# Altium PCB 2-quilter-output.pcbdoc (part 15 of 17) (continued)
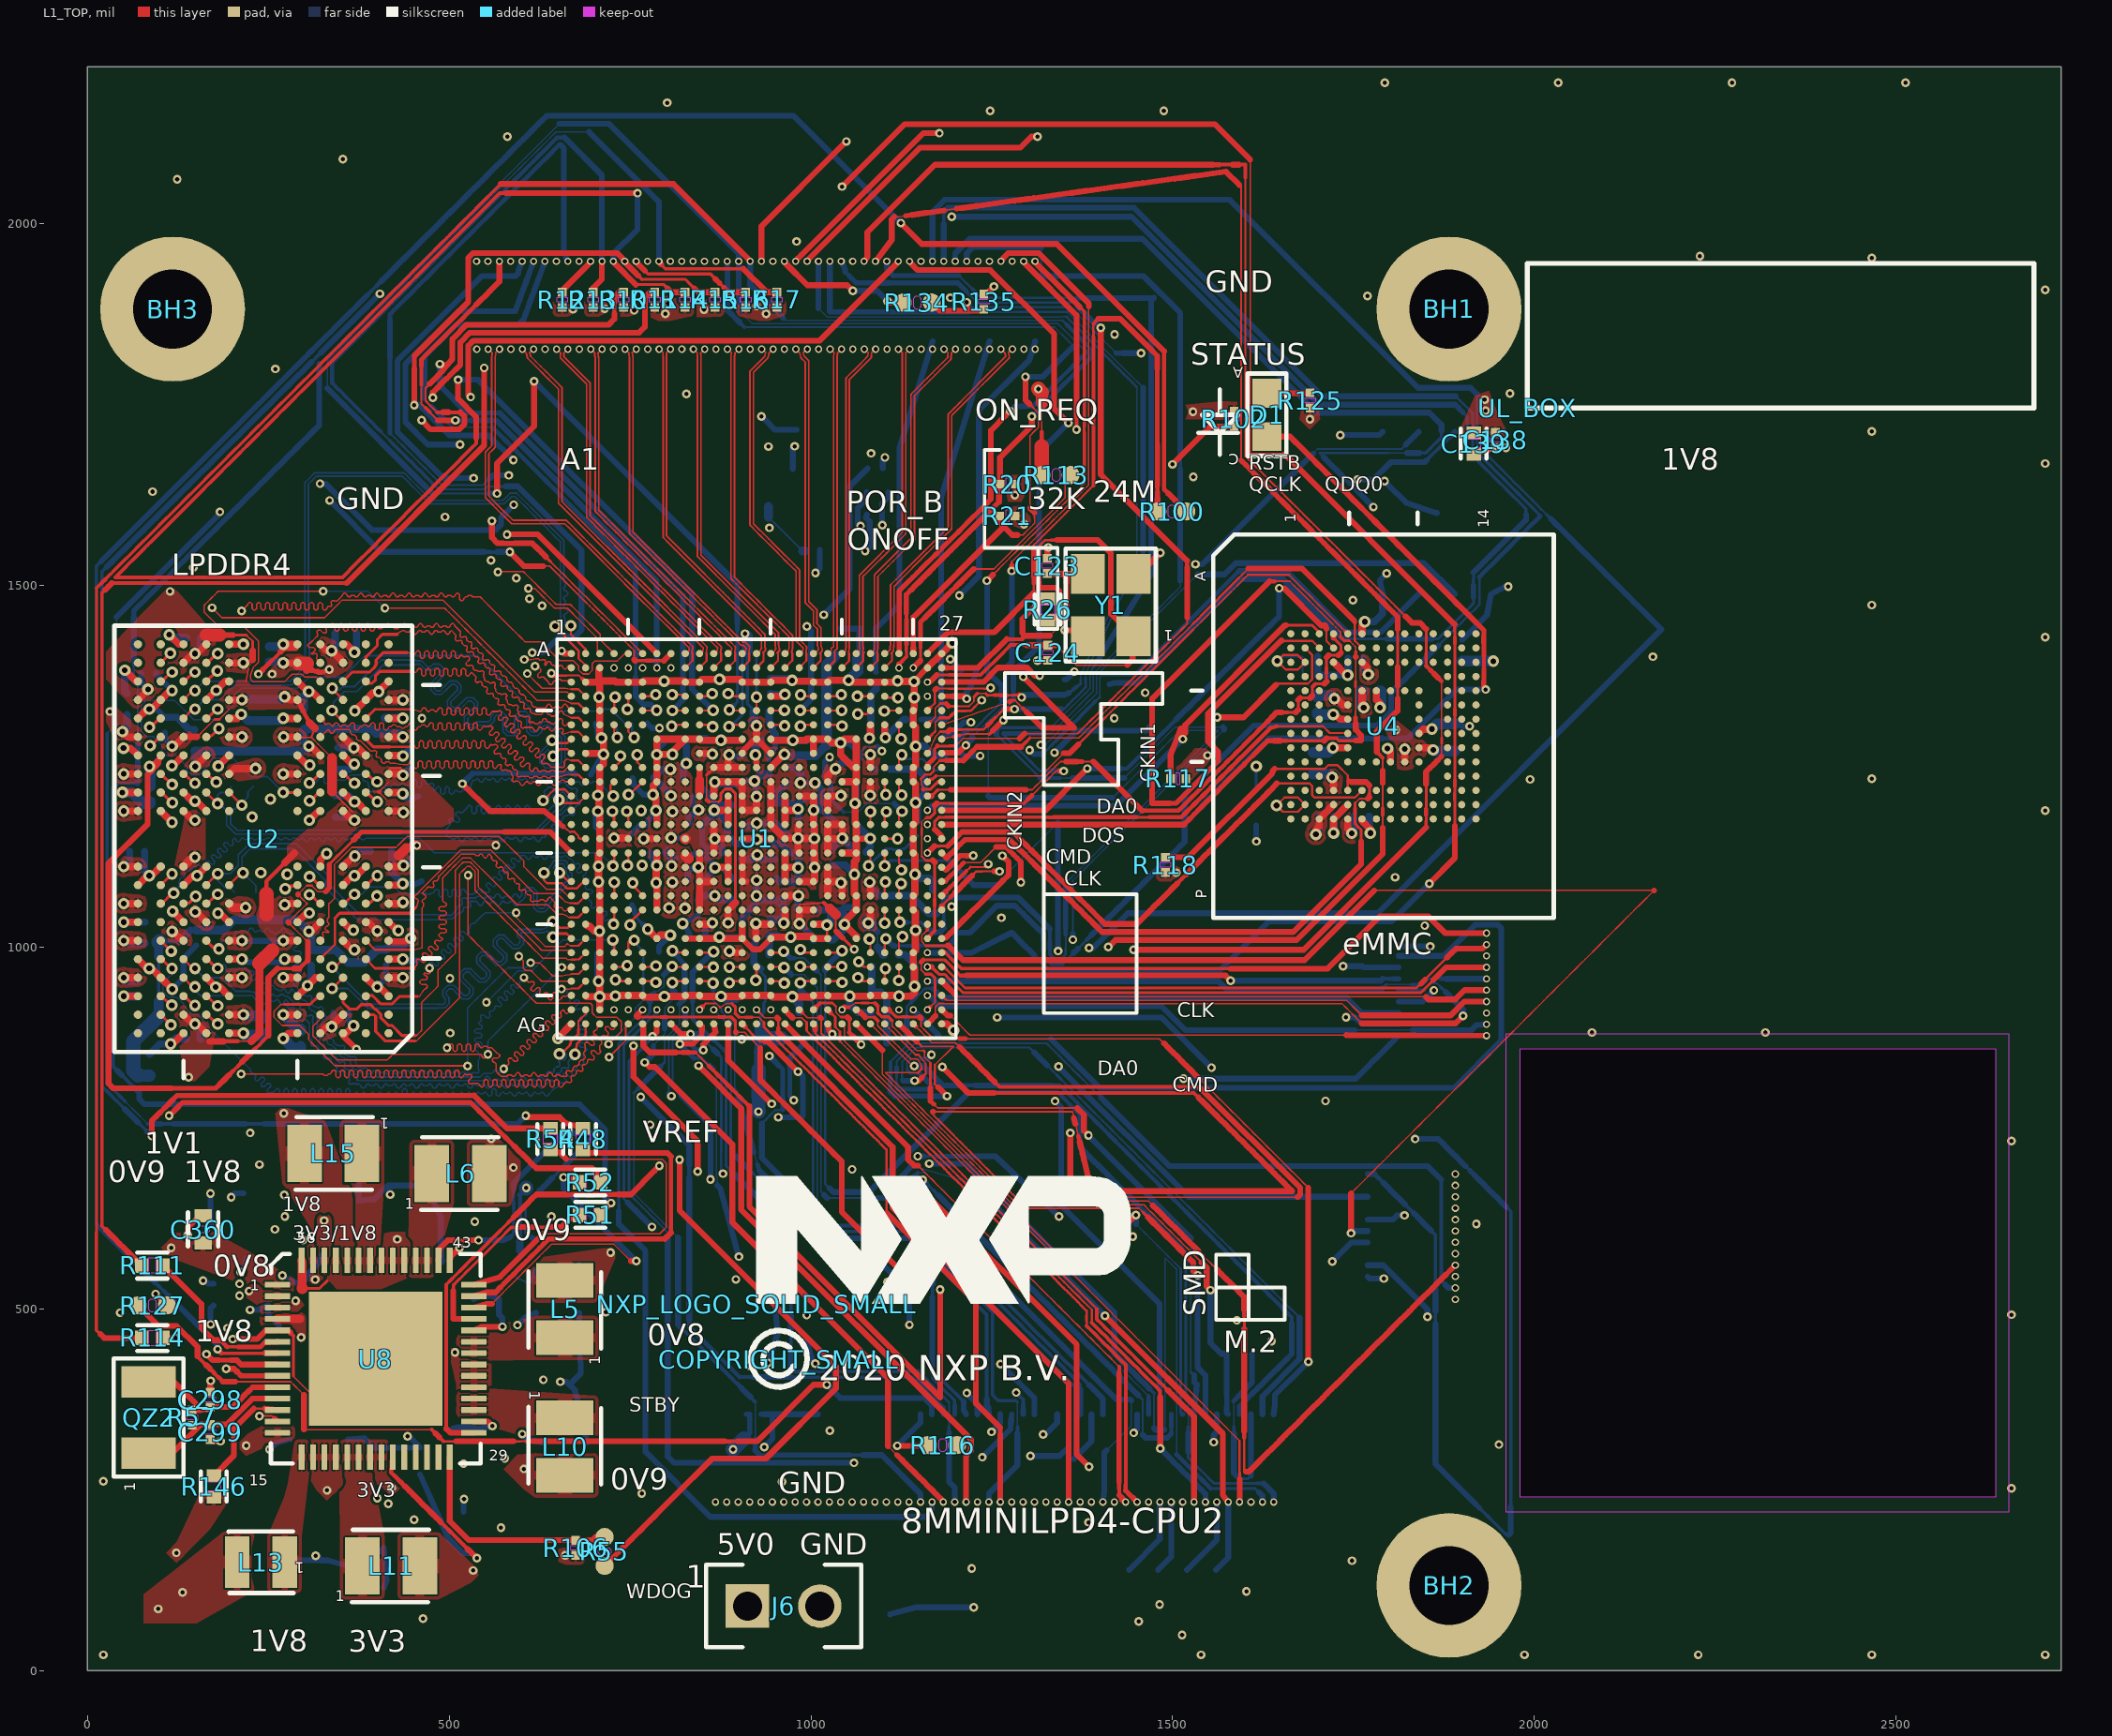
[diagram p0: L1_TOP view]
## Nets (pads, with @x,y where several pads share a name; then routed paths per layer and width w, separated by ;. In a path a pad name is that pad's centre, name@x,y a point inside that pad or via, vN(x,y) a via of type N, cw(c..) or ccw(c..) an arc to the next point about the centre after c; other vN are vias at no path point) (continued)
  L8_BOT w4.21: 98.88,925.38 98.88,945.73 98.88,966.08 98.88,986.42
  L8_BOT w5.79: 100.34,1008.23 113.74,1008.23 127.13,1008.23
  L8_BOT w8: v2(886.89,1265.9) 888.98,1263.81 C5.1@905,1263.81
  L8_BOT w10: v2(48.72,1297.99) 54.89,1304.16 C106.1@54.89,1321.14 ; v2(50.41,1009.15) 54.32,1005.24 C266.1@80,1005.24 ; C108.1@148.58,1271.07 148.58,1250.55 v2(149.33,1249.8) ; v2(1697.8,1156.02) 1702.49,1160.71 C133.1@1702.49,1181 ; v2(1747.46,1157.37) 1750.49,1160.4 C132.1@1750.49,1181 ; C131.1@1763.21,1399.15 1763.21,1384.13 v2(1770.27,1377.07)
  L8_BOT w10.55: 127.13,1008.23 134.78,1015.88 142.43,1023.52
  L8_BOT w12: C108.1@148.58,1271.07 299.54,1271.07 v2(306.32,1277.85) 298.93,1285.24 C109.1@298.93,1300.23 300.53,1301.83 392.82,1301.83 398.93,1295.72 C384.1@411.64,1295.72 431.17,1295.72 v2(436.24,1290.65) ; C372.1@150.6,1023.53 188.64,1023.53 203.01,1037.9 290.37,1037.9 v2(306.32,1021.95) 309.5,1018.77 C371.1@309.5,996.14 343.46,996.14 360.49,979.11 382.82,979.11 400.46,996.75 C370.1@412.78,996.75 417.03,1001 435.45,1001 v2(446.83,1012.38)
  L8_BOT w12.13: 98.88,986.42 98.88,1006.77
  L8_BOT w13.72: 98.88,905.04 98.88,925.38
  L8_BOT w15: C130.1@1694.3,1239.43 1715.81,1239.43 v2(1720.39,1234.85) ; R37.1@1900,1395.24 v2(1943,1395.24)
  L8_BOT w16.89: 70.3,822.85 C105.1@86.18,822.85
  L8_BOT w20.06: 70.3,822.85 63.62,829.54 63.62,869.77 98.88,905.04 ; 98.88,1006.77 100.34,1008.23
  other v1: 97.96,85.63 131.82,108.59 1222.2,141.47 660.47,159.76 219.6,311.35 1504.72,1102.89 1548.33,1265.01 1419.2,1316.29 1461.88,1351.72 1932.21,1741.27 1931.17,1756.61 798.98,1875.39 938.01,1875.49 755.8,1880.09 852.29,1881.17 671.16,1881.64 715.11,1882.29 924.99,1885.99 801.96,1889.73
  other v3: 1025.54,233.27 1041.29,233.27 1057.04,233.27 1072.79,233.27 1088.54,233.27 1104.28,233.27 1120.03,233.27 1135.78,233.27
VDD_3V3: C6.1 C8.1 C30.1 C127.1 C128.1 C129.1 C260.1 C264.1 C311.1 C312.1 C323.2 C403.1 C407.2 J5.21 J5.23 J5.25 J5.27 J5.29 J5.31 J5.33 J5.35 L11.2 R71.2 R72.2 R75.2 R76.2 R95.2 R97.2 R125.1 R146.1 U1.H10 U1.K19 U1.W17 U1.W18 U1.Y10 U4.E6 U4.F5 U4.J10 U4.K9 U8.21 U8.22 U10.1 U10.3 | length 6283.2
  L1_TOP w2.62: 983.84,1057.1 984.84,1058.97 1001.36,1060.27 1017.87,1061.56 ; 1034.54,1022.41 1034.54,1033.66 1034.54,1044.92
  L1_TOP w4.21: 1044.2,1012.75 1053.85,1003.09 v1(1060.01,996.94)
  L1_TOP w5.79: 1017.89,1061.57 1026.21,1053.25
  L1_TOP w7.38: 1034.54,1022.41 1044.2,1012.75
  L1_TOP w10: U1.Y10@846.15,1031.79 861.97,1031.79 v2(863.9,1033.72) ; U1.H10@846.15,1268.01 862.78,1268.01 v2(863.89,1266.9) ; v2(984.23,1032.76) 983.95,1033.04 U1.W17@983.95,1051.48 U1.W18@1003.63,1051.48 ; U1.K19@1023.31,1228.64 1023.31,1236.67 1033.31,1246.67 v2(1033.99,1246.67) ; v2(1723.44,1343.44) 1726.61,1343.44 1735.26,1334.79 U4.F5@1741.97,1334.79 ; U4.E6@1761.65,1354.47 1761.65,1337.53 1763.97,1335.21 v2(1763.97,1331.16) ; U4.K9@1820.71,1256.05 v2(1820.71,1273.9) ; U4.J10@1840.39,1275.73 1856.91,1275.73 v2(1859.98,1272.66)
  L1_TOP w13.72: 1026.21,1053.25 1034.54,1044.92
  L5_PWR w2: 849.86,227.06 861.77,238.97 874.26,251.46 ; v2@869.66,1033.72 879.08,1024.3 888.24,1015.13 ; 1071.55,1022.31 1089.95,1022.31 ; 1090.96,1023.31 1090.96,1036.78 1090.96,1051.24
  L5_PWR w2.62: 915.99,614.17 915.99,634.42 915.99,654.67 915.99,674.92 915.99,695.18 915.99,715.43 915.99,735.68 915.99,755.93 915.99,776.19 915.99,796.44 915.99,816.69 915.99,836.95 915.99,857.2 915.99,877.45 915.99,897.7 915.99,917.96 915.99,938.21
  L5_PWR w4.21: 943.6,1032.37 958.08,1046.85
  L5_PWR w5.79: 526.27,151.6 540.83,137.04 ; 906.25,1243.31 924.95,1243.31 943.64,1243.31 ; 910.51,943.69 910.51,960.97 ; 929.13,1017.9 943.6,1032.37 ; 958.08,1046.85 968.19,1046.85 977.56,1037.48 ; 1060.01,1010.76 1071.55,1022.31
  L5_PWR w7.38: 517.32,142.66 526.26,151.6 ; 767.7,261.57 782.29,246.99 ; v2(863.9,1033.72) v2@869.66,1033.72 ; 888.24,1015.13 903.59,1015.13 ; 910.51,943.69 915.99,938.21 ; 910.51,960.97 919.82,970.28 ; 977.56,1037.48 v2(984.23,1032.76) ; 1089.95,1022.31 1090.96,1023.31
  L5_PWR w8.96: v2(863.89,1266.9) 875.66,1255.17 887.45,1243.42 ; 929.13,1015.13 929.13,1017.9 ; v1(1060.01,996.94) 1060.01,1010.76 ; 1460.65,1371.38 1475.14,1356.9
  L5_PWR w10.55: v1(571.79,197.89) 585.21,211.32 ; 919.82,970.28 929.13,979.58 ; 981.02,1243.31 999.71,1243.31 1019.02,1243.31 ; v1(1098.26,1271.13) 1098.26,1270.27 1111.17,1257.35 1124.08,1244.44 ; 1162.83,1205.7 1175.74,1192.78 ; 1475.14,1356.9 1488.59,1343.44 ; 1710.51,1708.91 1724.93,1694.49
  L5_PWR w12.13: 962.33,1243.31 981.02,1243.31 ; 1149.91,1218.61 1162.83,1205.7 ; 1724.93,1365.97 1724.93,1386.51 ; 1724.93,1673.95 1724.93,1694.49
  L5_PWR w13.72: 782.29,246.99 796.87,232.4 ; 903.59,1015.13 918.94,1015.13 929.13,1015.13 929.13,997.36 ; 1175.74,1117.99 1175.74,1136.68 1175.74,1155.38 1175.74,1174.08 1175.74,1192.78 ; 1265.04,1086.41 1278.55,1099.91 1292.05,1113.42
  L5_PWR w15.3: 753.12,276.15 767.7,261.57 ; v1@1106.03,537.35 1120.79,552.11 ; 1137,1231.53 1149.91,1218.61 ; 1400.09,1321.97 1413.7,1335.59
  L5_PWR w16.89: 513.38,138.72 v1(533.19,138.72) ; 1019.02,1243.31 v2(1033.99,1246.67) ; v2@1724.93,1345.44 1724.93,1365.97 ; 1724.93,1386.51 1724.93,1407.04
  L5_PWR w18.47: 1244.47,1086.41 1265.04,1086.41 ; 1400.09,1241.56 1400.09,1261.66 ; 1400.09,1301.87 1400.09,1321.97 ; v2(1723.44,1343.44) v2@1724.93,1345.44
  L5_PWR w20.06: 455.48,224.03 508.36,171.15 508.36,133.71 ; 513.38,138.72 508.36,133.71 ; 517.31,142.65 508.36,133.71 ; 585.21,211.32 598.64,224.75 612.07,238.18 625.5,251.61 638.93,265.04 652.36,278.47 665.79,291.89 679.22,305.32 692.65,318.75 692.65,334.49 ; 753.12,276.15 738.54,290.74 723.95,305.32 709.37,319.9 694.79,334.49 692.65,334.49 ; 796.87,232.4 811.46,217.82 826.04,203.23 ; 849.86,227.06 837.95,215.14 826.04,203.23 ; 874.26,251.46 886.76,263.95 899.25,276.44 913.09,290.28 984.58,290.28 v1(1026.37,332.07) ; 887.45,1243.42 887.56,1243.31 906.25,1243.31 ; 915.99,614.17 696.14,394.31 696.14,337.98 692.65,334.49 ; 929.13,979.58 929.13,997.36 ; v1(941.47,1691.83) 1009.06,1624.24 1207.79,1624.24 1454.55,1377.48 ; 943.64,1243.31 962.33,1243.31 ; 1090.96,1051.24 1094.87,1055.15 1131.61,1055.15 1175.74,1099.28 ; 1120.79,552.11 1135.54,566.86 1150.29,581.61 1165.05,596.36 1179.8,611.12 1194.55,625.87 1209.3,640.62 1224.06,655.38 1224.06,1066 1244.47,1086.41 1231.6,1099.28 1175.74,1099.28 ; 1124.08,1244.44 1137,1231.53 ; 1175.74,1117.99 1175.74,1099.29 ; 1292.05,1113.42 1305.55,1126.92 1319.06,1140.43 1332.56,1153.93 1346.07,1167.43 1359.57,1180.94 1373.08,1194.44 1386.58,1207.95 1400.09,1221.45 1400.09,1241.56 ; 1333.18,147.84 1277.79,203.23 826.04,203.23 ; 1400.09,1261.66 1400.09,1281.76 1400.09,1301.87 ; 1413.7,1335.59 1427.32,1349.2 1440.93,1362.82 1454.49,1376.38 1454.49,1377.42 1454.55,1377.48 ; 1460.65,1371.38 1454.55,1377.48 ; 1479.56,35.23 1451.97,35.23 1446.82,30.08 1481.89,65.15 v1(1481.89,91.66) ; 1488.59,1343.44 v2(1723.44,1343.44) ; 1637.81,424.96 1637.81,293.1 1657.33,273.58 1657.33,141.72 1641.57,125.97 ; v1(1689.65,1729.77) 1696.09,1723.33 1710.51,1708.91 ; 1724.93,1407.04 1724.93,1427.57 1724.93,1448.1 1724.93,1468.63 1724.93,1489.17 1724.93,1509.7 1724.93,1530.23 1724.93,1550.76 1724.93,1571.29 1724.93,1591.83 1724.93,1612.36 1724.93,1632.89 1724.93,1653.42 1724.93,1673.95
  L8_BOT w2: 1075.63,1277.54 1089.12,1277.54
  L8_BOT w2.62: 941.6,1594.45 954.01,1582.05 966.42,1569.64 978.83,1557.23 988.28,1547.78 ; 1070.28,1259 1070.28,1272.19 1075.63,1277.54
  L8_BOT w4.21: 1089.12,1277.54 1091.88,1277.51
  L8_BOT w7.38: 1091.88,1277.51 v1(1098.26,1271.13)
  L8_BOT w10: C8.1@845.89,1267.39 863.4,1267.39 v2(863.89,1266.9) ; C264.1@853.93,1015.27 853.93,1023.75 v2(863.9,1033.72) ; v2(984.23,1032.76) 1003.78,1013.21 C6.1@1003.78,1010.06 ; v2(1033.99,1246.67) 1034.43,1246.67 1042.76,1255 C30.1@1060.23,1255
  L8_BOT w12.13: 941.6,1594.45 941.6,1609.33 ; 988.28,1547.78 991.79,1547.78
  L8_BOT w15: C128.1@1699.59,1345.4 1699.59,1348.39 1718.49,1348.39 v2(1723.44,1343.44) ; C129.1@1763.65,1354.01 1760.66,1354.01 1760.66,1334.47 v2(1763.97,1331.16) ; v2(1859.98,1272.66) 1861.34,1271.3 C127.1@1890,1271.3
  other v1: 1512.93,49.69 1453,68.44 1601.74,109.78 123.07,163.15 451.9,208.74 416.01,230.83 420.52,252.51 1636.55,455.68 1588.61,484.38 1106.03,537.35 1808.22,1300.06
VDD_ARM_0V9: C33.1 C35.1 C36.1 C248.1 C251.1 C253.1 C283.1 C287.1 L6.2 R140.1 R141.2 U1.R13 U1.R15 U1.T13 U1.T14 U1.T15 U1.U13 U1.U15 U1.V13 U1.V15 U1.V16 U1.W13 U1.W14 U1.W15 U1.W16 | length 847.6
  L1_TOP w8.96: U1.R13@905.21,1130.22 905.2,1125.2 905.2,1115.55 U1.T13@905.21,1110.53 905.2,1105.51 905.2,1095.87 U1.U13@905.21,1090.84 910.71,1090.82
  L1_TOP w10: v2(962.53,1033.35) 964.26,1035.08 U1.W16@964.26,1051.48 ; U1.V16@964.26,1071.16 v2(982.84,1071.16)
  L6_PWR w2.62: 916,849.35 916,867.47 916,885.59 916,903.71 916,921.83
  L6_PWR w8.96: 916,921.83 929.73,935.57
  L6_PWR w12.13: 929.73,935.57 943.47,949.3
  L6_PWR w16.89: 943.47,949.3 943.47,965.41 943.47,981.51 943.47,997.62 943.47,1013.72
  L6_PWR w18.47: 953,1023.26 v2@962.54,1032.8
  L6_PWR w20.06: 684.91,670.84 702.44,670.84 719.96,670.84 737.49,670.84 826.75,760.1 916,849.35 ; 943.47,1013.72 953,1023.26 ; v2@962.54,1032.8 v2(962.53,1033.35)
  L8_BOT w10: C35.1@903.85,1121.91 920.29,1121.91 v2(925.89,1127.51) 931.77,1121.63 C253.1@950.36,1121.63 ; C251.1@905.13,1034.88 905.13,1041.32 924.89,1061.08 v2(924.89,1070.98) ; v2(924.98,1092.68) 924.89,1092.59 v2(924.89,1070.98) ; C36.1@943.44,1038.17 957.71,1038.17 v2(962.53,1033.35) 962.53,1055.75 C33.1@953.1,1065.18 ; C248.1@981.72,1051.61 981.72,1070.04 v2(982.84,1071.16) 968.97,1071.16 962.99,1065.18 C33.1@953.1,1065.18 ; v2(924.89,1070.98) 930.69,1065.18 C33.1@953.1,1065.18
  other v1: 535.57,620.72 641.39,627.88 588.75,695.47 558.26,735.18
VDD_DRAM&PU_0V9: C20.1 C48.1 C54.1 C55.1 C61.1 C65.1 C74.1 C78.1 C303.1 C304.1 L10.2 R144.1 R145.2 U1.J10 U1.K12 U1.K13 U1.L10 U1.L11 U1.L13 U1.M13 U1.M14 U1.N10 U1.N11 U1.P9 U1.P12 U1.R10 U1.R11 U1.U10 U1.U11 U1.V12 U1.W10 U1.W11 | length 1961.1
  L1_TOP w8.96: 846.14,1231.3 U1.J10@846.14,1248.33
  L1_TOP w10: U1.W10@846.15,1051.48 U1.U10@846.15,1090.84 ; U1.R10@846.15,1130.22 846.15,1112.36 v2(844.4,1110.61) 846.15,1108.86 U1.U10@846.15,1090.84 ; U1.U11@865.83,1090.84 U1.U10@846.15,1090.84 ; U1.R11@865.83,1130.22 865.83,1148.45 v2(867.14,1149.76) ; U1.N11@865.83,1169.58 865.83,1151.07 v2(867.14,1149.76) ; U1.L11@865.83,1208.96 865.83,1227.08 v2(867.15,1228.4) 867.39,1228.64 U1.K12@885.52,1228.64 U1.K13@905.21,1228.64 U1.L13@905.21,1208.96 U1.M13@905.21,1189.27 U1.M14@924.89,1189.27 v2(924.89,1208.1) ; U1.P12@885.52,1149.9 867.28,1149.9 v2(867.14,1149.76) ; v2(922.17,1229.81) v2@924.89,1232.53
  L1_TOP w12.13: 846.14,1214.28 846.14,1231.3
  L6_PWR w2: 856.72,1177.9 872.71,1177.9
  L6_PWR w2.62: 872.71,1177.9 882.24,1177.9 ; 998.25,864.96 998.25,884.04 998.25,903.12 998.25,922.2 998.25,941.29 998.25,960.37 998.25,979.45 998.25,998.53 998.25,1017.61 998.25,1036.7
  L6_PWR w4.21: 900.76,767.47 914.69,781.4 928.61,795.32 ; 979.62,1055.32 988.94,1046.01 998.25,1036.7 ; 984.32,851.03 998.25,864.96
  L6_PWR w7.38: 831.13,676.9 831.13,697.84 ; 850.41,1184.21 856.72,1177.9
  L6_PWR w8.96: 882.24,1177.9 882.24,1186.5 882.24,1199.41 ; 906.67,1067.19 918.54,1055.32 938.9,1055.32 ; 959.26,1055.32 979.62,1055.32
  L6_PWR w10.55: 831.13,697.84 845.05,711.76 ; v2(844.72,1189.89) 850.41,1184.21
  L6_PWR w12.13: 956.47,823.18 970.39,837.1 984.32,851.03
  L6_PWR w15.3: 862.44,1077.68 v2(867.31,1071.16) 871.28,1067.19 888.98,1067.19 906.67,1067.19 ; 882.24,1199.41 882.24,1212.31
  L6_PWR w16.89: 831.13,404.74 831.13,425.67 831.13,446.61 831.13,467.54 831.13,488.48 831.13,509.42 ; 874.62,1170.28 882.24,1177.9 ; 938.9,1055.32 959.26,1055.32
  L6_PWR w18.47: 816.43,289.73 831.13,300.05 831.13,320.99 831.13,341.93 831.13,362.86 831.13,383.8 831.13,404.74 ; 831.13,655.97 831.13,676.9 ; 867,1162.66 874.62,1170.28 ; 928.61,795.32 942.54,809.25
  L6_PWR w20.06: 585.8,298.81 707.26,298.81 757.62,248.45 760.91,245.16 v1(766.25,245.16) ; 757.64,248.45 772.34,258.77 787.04,269.09 801.74,279.41 816.43,289.73 ; 831.13,509.42 831.13,530.35 831.13,551.29 831.13,572.22 831.13,593.16 831.13,614.09 831.13,635.03 831.13,655.97 ; 845.05,711.76 858.98,725.69 872.91,739.62 886.83,753.54 900.76,767.47 ; v2@867.15,1228.41 872.34,1222.2 882.24,1212.31 ; 942.54,809.25 956.47,823.18
  L8_BOT w8: C61.1@829.94,1091.56 829.94,1103.11 837.44,1110.61 v2(844.4,1110.61) ; C78.1@836.76,1208.61 836.76,1197.85 v2(844.72,1189.89)
  L8_BOT w10: C74.1@831.9,1171.19 831.9,1178.27 843.52,1189.89 v2(844.72,1189.89) ; C48.1@844.62,1065.03 850.75,1071.16 v2(867.31,1071.16) 873.3,1065.17 C55.1@892.54,1065.17 ; v2(867.14,1149.76) 877.33,1139.57 C54.1@877.33,1130.41 ; v2(867.15,1228.4) 869.77,1225.78 C20.1@890.07,1225.78 901.67,1225.78 905.69,1229.8 v2(922.17,1229.81) 924.29,1227.69 924.29,1208.7 v2(924.89,1208.1)
  L8_BOT w12: v2(922.17,1229.81) 930.96,1238.6 C65.1@941.7,1238.6
  other v1: 603.49,279.07 519.94,286.35 576.95,293.74
VDD_PHY_0V9: C1.1 C360.1 U1.J14 U8.1 | length 1770.8
  L1_TOP w8: v2(923.47,1265.85) 924.89,1264.43 U1.J14@924.89,1248.32
  L3_INNER1 w2: 876.63,917.25 878.77,919.4 882.71,922.19 892.29,931.76
  L3_INNER1 w2.62: 876.63,833.67 876.63,854.57 876.63,875.46 876.63,896.36 876.63,917.25 ; 929.08,1256.81 937.8,1248.09 937.8,1227.71 937.8,1207.33 937.8,1186.94 937.8,1166.56 937.8,1146.17 937.8,1125.79 937.8,1105.41 937.8,1085.02 937.8,1064.64
  L3_INNER1 w4.21: 901.87,1028.71 913.84,1040.69 925.82,1052.66
  L3_INNER1 w5.79: 925.82,1052.66 937.8,1064.64
  L3_INNER1 w7.38: 892.29,931.76 901.87,941.34 901.87,958.81 901.87,976.29 901.87,993.76 901.87,1011.24
  L3_INNER1 w8.96: 318.81,555.32 333.49,540.64
  L3_INNER1 w10.55: 269.79,584.68 289.45,584.68 304.13,570 ; 494.95,379.18 509.63,364.5 529.24,364.5 548.86,364.5 568.47,364.5 588.09,364.5 607.71,364.5 627.32,364.5 646.94,364.5 666.55,364.5 686.17,364.5 705.78,364.5 725.4,364.5 732.84,364.5 745.02,376.68 745.02,384.93 ; 745.02,548.29 745.02,568.71 745.02,589.13 ; 901.87,1011.24 901.87,1028.71
  L3_INNER1 w12.13: 304.13,570 318.81,555.32 ; 745.02,384.93 745.02,405.35 745.02,425.77 745.02,446.19 745.02,466.61 745.02,487.03 745.02,507.45 745.02,527.87 745.02,548.29 ; 745.02,589.13 745.02,609.55 745.02,629.98 745.02,650.4 745.02,670.82 745.02,691.24 745.02,711.66 745.02,732.08 745.02,752.5 757.08,764.55 ; 769.13,776.61 781.18,788.66 ; 793.24,800.72 805.29,812.77
  L3_INNER1 w13.72: 781.18,788.66 793.24,800.72
  L3_INNER1 w15.3: 757.08,764.55 769.13,776.61
  L3_INNER1 w16.89: 132.2,584.68 151.85,584.68
  L3_INNER1 w18.47: 333.49,540.64 348.16,525.96
  L3_INNER1 w20.06: v1(115.97,584.67) 124.29,584.67 132.19,584.67 ; 151.85,584.68 171.51,584.68 191.17,584.68 210.82,584.68 230.48,584.68 250.14,584.68 269.79,584.68 ; 348.16,525.96 362.84,511.28 377.52,496.61 392.2,481.93 406.88,467.25 421.56,452.57 436.24,437.89 450.91,423.21 465.59,408.54 480.27,393.86 494.95,379.18 ; 805.29,812.77 855.73,812.77 876.63,833.67 ; v2(923.47,1265.85) 929.08,1256.81
  L8_BOT w12: v2(923.47,1265.85) 923.47,1280.14 C1.1@929.78,1286.45
VDD_PHY_1V2: C244.1 C405.1 C408.1 U1.J15 U10.5 | length 219.1
  L1_TOP w10: U1.J15@944.57,1248.32 962.86,1266.61 v2(963.4,1266.61)
  L8_BOT w12: v2(963.4,1266.61) 965.29,1264.72 C244.1@993.88,1264.72 1006.62,1264.72 1021.62,1279.72
  L8_BOT w15: 1021.62,1279.72 1021.62,1390.38 C405.1@1033.54,1402.3
  other v1: 942.52,1579.59
VDD_SNVS_0V8: C9.1 C337.1 R113.1 U1.K22 U8.2 | length 3649.5
  L1_TOP w2: 1319.09,1712.1 1319.12,1731.94 1319.15,1751.79
  L1_TOP w5.79: 1319.06,1692.26 1319.09,1712.1
  L1_TOP w10: v2(1081.98,1209.79) 1082.37,1210.18 U1.K22@1082.37,1228.64
  L1_TOP w16.89: 1319.15,1751.79 1319.15,1766.48
  L1_TOP w20.06: v1(1314.19,1771.44) 1319.15,1766.48 ; R113.1@1319.01,1652.57 1319.03,1672.42 1319.06,1692.26
  L6_PWR w2: 1060.97,1182.3 1071.48,1192.81 v2@1081.98,1203.32
  L6_PWR w2.62: 1010.33,653.5 1010.33,670.04 1010.33,686.58 1010.33,703.12 1010.33,723.76 1010.33,744.4 1010.33,765.03 1010.33,785.67 1010.33,806.31 1010.33,826.95 1010.33,847.59 1010.33,868.23 1010.33,888.87 1010.33,909.51 1010.33,930.15 1010.33,950.79 1010.33,971.43 1010.33,992.07 1010.33,1012.71 1010.33,1033.35 1010.33,1053.99 1010.33,1074.63 1022.99,1087.29 1035.65,1099.95 1048.31,1112.61 1060.97,1125.27
  L6_PWR w7.38: v2@1082.98,1210.37 1091.55,1218.94 1100.11,1227.5
  L6_PWR w10.55: v2@1081.98,1203.32 v2(1081.98,1209.79)
  L6_PWR w12.13: 1060.97,1144.28 1060.97,1163.29 1060.97,1182.3 ; 1100.11,1227.5 1120.57,1227.5 1141.02,1227.5 ; 1314.19,1762.37 1314.19,1745.51 1327.53,1732.18 ; 1340.86,1718.85 1354.19,1705.52
  L6_PWR w13.72: 313.28,240.95 313.28,261.82 ; 313.28,449.64 313.28,470.51 ; 1060.97,1125.27 1060.97,1144.28 ; 1327.53,1732.18 1340.86,1718.85 ; 1345.55,1227.5 1366,1227.5 ; 1354.19,1705.52 1367.53,1692.18
  L6_PWR w15.3: 1325.1,1227.5 1345.55,1227.5
  L6_PWR w16.89: 256.19,528.18 276.77,528.18 297.35,528.18
  L6_PWR w18.47: 313.28,220.08 313.28,240.95 ; 313.28,470.51 313.28,491.38 ; 874.12,271.96 874.12,292.11 874.12,312.25 874.12,332.4 874.12,352.55 874.12,372.69 874.12,392.84 874.12,412.98 888.61,427.47 903.1,441.96
  L6_PWR w20.06: 232.77,531.02 234.63,529.15 255.21,529.15 256.19,528.18 ; 297.35,528.18 313.28,512.25 313.28,491.38 ; 313.28,220.08 313.28,199.21 334.15,178.33 780.49,178.33 874.12,271.95 ; 313.28,261.82 313.28,282.69 313.28,303.56 313.28,324.43 313.28,345.29 313.28,366.16 313.28,387.03 313.28,407.9 313.28,428.77 313.28,449.64 ; 903.1,441.96 917.59,456.45 932.08,470.94 946.57,485.43 961.06,499.92 975.54,514.41 990.03,528.89 1004.52,543.38 1019.01,557.87 1033.5,572.36 1047.99,586.85 1062.48,601.34 1010.33,653.5 ; v2(1081.98,1209.79) v2@1082.98,1210.37 ; 1141.02,1227.5 1161.47,1227.5 1181.93,1227.5 1202.38,1227.5 1222.83,1227.5 1243.28,1227.5 1263.74,1227.5 1284.19,1227.5 1304.64,1227.5 1325.1,1227.5 ; 1314.19,1762.37 v1(1314.19,1771.44) ; 1366,1227.5 1386.45,1227.5 1406.91,1227.5 1427.36,1227.5 1750.21,1550.35 1537.53,1763.05 1518.4,1763.05 1420.87,1665.51 1394.19,1665.51 1380.86,1678.85 1367.53,1692.18
  other v1: 223.46,524.72 210.49,534.87
VDD_SOC_0V8: C15.1 C16.1 C234.2 C235.1 C247.1 C254.1 C255.1 C256.1 C275.1 C285.1 L5.2 R142.1 R143.2 U1.J16 U1.J17 U1.K15 U1.K16 U1.L15 U1.L17 U1.L18 U1.M15 U1.N13 U1.N15 U1.N17 U1.N18 U1.P16 U1.R17 U1.R18 U1.U17 U1.U18 | length 1511.6
  L1_TOP w10: U1.K15@944.57,1228.64 U1.L15@944.57,1208.96 U1.M15@944.57,1189.27 U1.N15@944.57,1169.58 U1.P16@964.26,1149.9 965.05,1150.69 v2(982.31,1150.69) ; U1.U17@983.95,1090.84 U1.U18@1003.63,1090.84 1005.14,1092.35 v2(1005.14,1110.33) 1005.14,1128.71 U1.R18@1003.63,1130.22 1004.84,1131.43 v2(1004.84,1150.24) ; U1.R17@983.95,1130.22 982.31,1131.86 v2(982.31,1150.69) ; U1.N17@983.95,1169.58 982.31,1167.94 v2(982.31,1150.69) ; U1.L17@983.95,1208.96 U1.L18@1003.63,1208.96 1003.82,1208.77 v2(1003.82,1189.45) 1003.63,1189.26 U1.N18@1003.63,1169.58 1004.84,1168.37 v2(1004.84,1150.24) ; v2(982.31,1150.69) 982.76,1150.24 v2(1004.84,1150.24)
  L3_INNER1 w2.62: 835.78,902.87 835.78,922.8 835.78,942.72 835.78,962.65 835.78,982.58 835.78,1002.51 835.78,1022.44 848.55,1035.21 861.31,1047.97 874.07,1060.73 886.84,1073.5 899.6,1086.26 912.37,1099.03
  L3_INNER1 w4.21: 912.37,1117.91 912.37,1136.79 912.37,1155.68 v2@924,1167.31
  L3_INNER1 w5.79: 912.37,1099.03 912.37,1117.91
  L3_INNER1 w8.96: 754.21,842.92 762.37,851.08 770.52,859.23
  L3_INNER1 w10.55: 792.16,859.23 806.7,873.77 821.24,888.31
  L3_INNER1 w12.13: 821.24,888.31 835.79,902.85
  L3_INNER1 w15.3: 754.2,814.89 754.2,828.91 754.2,842.92 ; 770.52,859.23 781.34,859.23 ; v2@924,1167.31 v2(925.1,1171.42)
  L3_INNER1 w16.89: 781.34,859.23 792.16,859.23
  L3_INNER1 w20.06: 619.5,680.19 627.33,688.02 754.2,814.89
  L8_BOT w2: 606.76,537.15 610.62,536.1 618.05,536.31 620.46,536.21 622.76,536.2 637.29,536.75 651.26,537.28 ; 610.63,536.1 C275.1@613.63,539.11
  L8_BOT w2.62: 593.38,543.18 606.76,537.15
  L8_BOT w5.79: 597.88,597.24 597.88,617.37 597.88,637.49 597.88,657.61 ; C275.1@613.63,539.11 C275.1@620,555
  L8_BOT w7.38: 597.88,657.61 v1@606.8,666.53
  L8_BOT w10: C16.1@905.26,1168.18 921.86,1168.18 v2(925.1,1171.42) 950.83,1171.42 C247.1@952.67,1169.58 971.56,1150.69 v2(982.31,1150.69) 982.76,1150.24 v2(1004.84,1150.24) ; C256.1@967.36,1248.35 977.44,1248.35 985.62,1240.17 v2(985.62,1227.04) 1005.51,1227.04 v2(1005.62,1226.93) 1014.65,1217.9 C235.1@1014.65,1209.18 1014.65,1200.28 v2(1003.82,1189.45) ; C15.1@1002.87,1090.78 1005.14,1093.05 v2(1005.14,1110.33) 1003.71,1111.76 C255.1@1003.71,1130.38 1003.71,1149.11 v2(1004.84,1150.24) ; C234.2@1032.67,1173.08 1016.3,1189.45 v2(1003.82,1189.45) ; v2(1003.82,1189.45) 1003.82,1170.18 C254.1@1003.69,1170.05 1003.69,1151.39 v2(1004.84,1150.24)
  L8_BOT w10.55: 597.88,580.57 597.88,597.24 ; 652.26,537.52 C285.1@667.17,545.52
  L8_BOT w15.3: 651.26,537.28 652.26,537.52
  L8_BOT w20.06: v1@606.8,666.53 v1(606.8,667.57) ; C285.1@667.19,545.52 675.44,553.77 C285.1@680,555
  other v1: 723.37,577.94
VDDA_1V8: C99.1 C100.1 C101.1 C104.1 C265.1 C267.1 C363.1 C400.1 U1.AA14 U1.G14 U1.H13 U1.H15 U1.N19 U1.N20 U1.P5 U1.P19 U1.R19 U1.Y15 U8.54 | length 1938.6
  L1_TOP w8: U1.H13@905.21,1268.01 905.21,1270.22 922.69,1287.7 U1.G14@924.89,1287.7 U1.H15@944.57,1268.01
  L1_TOP w10: v2(727.89,1150.9) 746.73,1150.9 U1.P5@747.73,1149.9 ; U1.AA14@924.89,1012.1 924.02,1012.97 v2(924.02,1032.9) 925.13,1031.79 U1.Y15@944.57,1031.79 ; U1.G14@924.89,1287.7 v2(924.89,1305.9) ; U1.R19@1023.31,1130.22 U1.P19@1023.31,1149.9 ; U1.P19@1023.31,1149.9 U1.N19@1023.31,1169.58 U1.N20@1043,1169.58 1043.56,1169.02 v2(1043.56,1150.65) 1042.81,1149.9 U1.P19@1023.31,1149.9
  L6_PWR w2: 681.13,1102.55 695.09,1116.5 709.04,1130.46
  L6_PWR w2.62: 933.84,766.52 948,752.36 962.17,738.19 976.33,724.02 990.5,709.86 998.37,709.86 1004.68,716.17 ; 1004.68,716.18 1004.68,736.66 1004.68,757.14 1004.68,777.62 1004.68,798.1 1004.68,818.58 1004.68,839.06 1004.68,859.54 1004.68,880.02 1004.68,900.49 1004.68,920.97 1004.68,941.45 1004.68,961.93 1004.68,982.41 1004.68,1002.89 1004.68,1023.37 1004.68,1043.85 1004.68,1064.33 1004.68,1084.81
  L6_PWR w5.79: 583.46,1004.88 597.41,1018.83
  L6_PWR w8.96: 583.46,970.53 583.46,987.7 583.46,1004.88
  L6_PWR w13.72: 1004.68,1084.81 1017.64,1097.77 1030.59,1110.72 1043.55,1123.68 1043.55,1137.15 v2@1043.55,1150.63
  L6_PWR w15.3: 709.04,1130.46 722.99,1144.41
  L6_PWR w16.89: 597.41,1018.83 611.37,1032.78
  L6_PWR w18.47: 509.23,844.76 524.08,859.6 ; 611.37,1032.78 625.32,1046.74 639.27,1060.69 ; 653.23,1074.64 667.18,1088.6 681.13,1102.55
  L6_PWR w20.06: 308.07,643.6 316.26,651.78 331.1,666.63 345.94,681.47 360.79,696.32 375.63,711.16 390.48,726.01 405.32,740.85 420.17,755.69 435.01,770.54 449.85,785.38 464.7,800.23 479.54,815.07 494.39,829.91 509.23,844.76 ; 524.08,859.6 538.92,874.45 553.76,889.29 568.61,904.14 583.45,918.98 583.46,936.17 ; 583.46,936.17 583.46,953.35 583.46,970.53 ; 639.27,1060.69 653.23,1074.64 ; v1(927.54,772.82) 933.84,766.52
  L8_BOT w4: 930.63,892.63 930.63,905.28 934.89,909.54 934.89,922.89 937,925 937,959.64 930.63,966.02 930.63,966.72
  L8_BOT w4.21: 912.21,1411.13 912.21,1392.11 912.21,1373.09 912.21,1354.08 912.21,1336.47 C100.1@920.45,1328.23
  L8_BOT w5: 930.63,966.72 930.63,970.26
  L8_BOT w10: v2(924.02,1032.9) 924.02,1006.99 921.28,1004.25 921.28,988.54 921.15,988.41 921.15,978.23 929.12,970.26 930.63,970.26 ; 927,861.24 927,889 930.63,892.63 ; C101.1@1028.89,1134.41 1028.89,1135.98 v2(1043.56,1150.65) 1055.03,1139.18 C104.1@1055.03,1131.45
  L8_BOT w10.55: v1(909.05,1433.31) v1@912.21,1430.15
  L8_BOT w12: C100.1@921.38,1325.9 921.38,1309.41 v2(924.89,1305.9)
  L8_BOT w12.13: 927.01,856.22 927.78,849.34 927.78,830.65
  L8_BOT w15.3: 912.21,1411.13 v1@912.21,1430.15
  L8_BOT w18.47: v1@927.78,774.59 927.78,793.28
  L8_BOT w20.06: v1(927.54,772.82) v1@927.78,774.59 ; 927.78,793.28 927.78,811.97 927.78,830.65 ; 932.01,876.36 934.97,874.19 C265.1@958.97,874.19
  other v1: 327.46,622.28 272.15,657.7
VINT: C406.1 U8.4 | length 138.3
  L1_TOP w12.13: U8.4@262.86,486.35 278.36,486.36 293.87,486.36
  L6_PWR w12.13: v1(193.69,473.51) 211.59,473.51
  L6_PWR w15.3: 283.2,473.51 v1(295.74,460.97)
  L6_PWR w18.47: 211.59,473.51 229.49,473.51
  L6_PWR w20.06: 229.49,473.51 247.4,473.51 265.3,473.51 283.2,473.51
VSYS_5V: C10.1 C11.1 C12.1 C13.1 C279.2 C281.2 C295.2 C301.2 C306.2 C307.2 C316.2 C401.2 C402.2 J5.1 J5.2 J5.3 J5.4 J5.5 J5.6 J5.7 J5.8 J6.1 U8.16 U8.17 U8.18 U8.33 U8.34 U8.35 U8.47 U8.48 U8.49 U8.53 U8.56 | length 1324.4
  L1_TOP w4.21: 297.17,528.48 317.11,528.48 321.03,528.48 331.63,539.09
  L1_TOP w12.13: U8.56@296.33,567.06 297.16,563.23 297.16,545.86 297.16,528.49
  L6_PWR w7.38: 920.64,305.97 931.34,295.28
  L6_PWR w12.13: v1(892.45,305.97) 906.54,305.97 920.64,305.97 ; 931.34,295.28 942.03,284.58
  L6_PWR w15.3: 910.33,233.82 v3(915.31,233.27) ; 915.32,245.57 v3(915.31,233.27) ; 915.86,212.62 915.86,232.55 v3(915.31,233.27)
  L6_PWR w18.47: 498.84,223.68 517.36,219.59 531.48,216.46 ; 839.3,269.77 852.62,283.1 852.62,302.56 852.62,322.02 852.62,341.48 852.62,360.94 852.62,380.4 852.62,399.86 852.62,419.32
  L6_PWR w20.06: 443.29,235.95 461.81,231.86 480.32,227.77 498.84,223.68 ; 531.5,216.46 785.99,216.46 799.32,229.79 812.64,243.12 825.97,256.44 839.3,269.77 ; 852.62,419.32 852.62,438.78 852.62,458.24 852.62,477.7 852.62,497.16 v1(896.36,540.9) ; v3(868.06,233.27) 872.32,230.67 878.84,232.72 v3(883.81,233.27) 888.07,230.67 894.59,232.72 v3(899.56,233.27) 903.82,235.89 910.33,233.82 ; J6.1@912.42,89.57 915.86,93.03 915.86,112.96 915.86,132.89 915.86,152.82 915.86,172.75 915.86,192.68 915.86,212.62 ; v1(914.37,421.71) 914.36,304.27 934.05,284.58 942.03,284.58 935.35,277.9 915.32,257.86 915.32,245.57
  L8_BOT w7.38: 907.68,321.21 915.3,328.82 915.3,341.67 J5.7@915.31,354.53 911.3,354.53
  L8_BOT w20.06: v1(892.45,305.97) 900.06,313.59 907.68,321.21
  other v1: 400.86,238.76 331.48,249.4 630.22,402.23 508.28,439.94 298.29,595.62 428.58,596.38
WDOG_B: R55.1 U1.AG13 | length 1190.6
  L1_TOP w3.37: 908.76,890.43 914.04,885.15 919.33,879.87 924.61,874.58 929.89,869.3 935.47,869.3
  L1_TOP w6.29: 935.47,869.3 941.05,869.3
  L1_TOP w7.46: R55.1@721.24,151.24 727.48,157.48 733.73,163.73
  L1_TOP w8.05: R55.1@715,145 R55.1@721.24,151.24 ; 733.73,163.73 739.97,169.97 746.21,176.21 752.45,182.45 758.69,188.69 764.93,194.93 771.18,201.18 777.42,207.42 783.66,213.66 789.9,219.9 796.14,226.14 802.39,232.39 808.63,238.63 863.41,293.41 937.83,293.41 1034.6,390.18 1034.6,420.42 818.5,636.52 818.5,699.3 v1(818.5,706.47) ; U1.AG13@905.21,893.99 908.76,890.43 ; 941.05,869.3 v1(982.31,828.03)
  L3_INNER1 w8.05: v1(818.5,706.47) 857.12,745.08 934.95,745.08 v1(954.92,765.05)
  L8_BOT w7.46: v1(954.92,765.05) 962.88,765.05 970.84,765.05
  L8_BOT w8.05: 970.84,765.05 978.8,765.05 986.76,765.05 988.97,767.25 988.97,821.38 v1(982.31,828.03)
WL_REG_ON: J8.6 U1.R23 | length 1147.5
  L1_TOP w3: v2(1102.05,1112.36) U1.R23@1102.05,1130.22
  L3_INNER1 w8.05: v1(1341.5,994.77) 1341.5,835.83 v1(1342.15,835.19)
  L8_BOT w2: 1255.1,1085.91 1261.27,1092.09 1267.44,1098.26 1273.61,1104.43 1279.78,1110.6 1285.95,1116.77 1292.13,1122.94 1298.3,1129.11 1304.47,1135.28 1310.64,1141.45 1316.81,1147.62 1322.98,1153.79 1329.15,1159.96 1335.32,1166.13 1341.49,1172.3
  L8_BOT w4.1: v2(1102.05,1112.36) 1102.76,1112.36 1110.4,1120 1188.77,1120
  L8_BOT w8.05: 1190.83,1120 1224.92,1085.91 1255.1,1085.91 ; v1(1341.5,994.77) 1341.5,1172.3 ; v1(1342.15,835.19) 1349.65,827.69 1522.22,655.12 J8.6@1769.37,655.12

## Text inside footprints (layer, text, board x,y; h text height)
U2: Top Assembly "1" at 423.33,844.9 h20 r180; Top Assembly "12" at 72.33,839.9 h20 r180; Top Assembly "A" at 473.33,889.9 h20 r180; Top Assembly "AB" at 493.33,1424.9 h20 r180; Top Pin Number "N2" at 377.06,1188.29 h10 r180; Top Pin Number "P3" at 345.56,1213.88 h10 r180; Top Pin Number "P1" at 408.55,1213.88 h10 r180; Top Pin Number "U12" at 58.1,1290.65 h10 r180; Top Pin Number "G9" at 156.59,1034.74 h10 r180; Top Pin Number "F1" at 408.55,1009.15 h10 r180; Top Pin Number "G4" at 314.07,1034.74 h10 r180; Top Pin Number "U1" at 408.55,1290.65 h10 r180; Top Pin Number "AA8" at 184.08,1393.01 h10 r180; Top Pin Number "W5" at 282.57,1341.83 h10 r180; Top Pin Number "W8" at 188.08,1341.83 h10 r180; Top Pin Number "W12" at 58.1,1341.83 h10 r180; Top Pin Number "AB9" at 152.59,1418.6 h10 r180; Top Pin Number "AA10" at 117.09,1393.01 h10 r180; Top Pin Number "R5" at 282.57,1239.47 h10 r180; Top Pin Number "U5" at 282.57,1290.65 h10 r180; Top Pin Number "U8" at 188.08,1290.65 h10 r180; Top Pin Number "U10" at 121.09,1290.65 h10 r180; Top Pin Number "N10" at 121.09,1188.29 h10 r180; Top Pin Number "R8" at 188.08,1239.47 h10 r180; Top Pin Number "R12" at 58.1,1239.47 h10 r180; Top Pin Number "N12" at 58.1,1188.29 h10 r180; Top Pin Number "H5" at 282.57,1060.34 h10 r180; Top Pin Number "D5" at 282.57,957.97 h10 r180; Top Pin Number "H8" at 188.08,1060.34 h10 r180; Top Pin Number "K10" at 121.09,1111.52 h10 r180; Top Pin Number "D8" at 188.08,957.97 h10 r180; Top Pin Number "F5" at 282.57,1009.15 h10 r180; Top Pin Number "F8" at 188.08,1009.15 h10 r180; Top Pin Number "F10" at 121.09,1009.15 h10 r180; Top Pin Number "H12" at 58.1,1060.34 h10 r180; Top Pin Number "K12" at 58.1,1111.52 h10 r180; Top Pin Number "D12" at 58.1,957.97 h10 r180; Top Pin Number "A4" at 314.07,881.2 h10 r180; Top Pin Number "B3" at 345.56,906.79 h10 r180; Top Pin Number "B5" at 282.57,906.79 h10 r180; Top Pin Number "B8" at 188.08,906.79 h10 r180; Top Pin Number "A9" at 156.59,881.2 h10 r180; Top Pin Number "B10" at 121.09,906.79 h10 r180; Top Pin Number "T2" at 377.06,1265.06 h10 r180; Top Pin Number "W1" at 408.55,1341.83 h10 r180; Top Pin Number "R1" at 408.55,1239.47 h10 r180; Top Pin Number "N1" at 408.55,1188.29 h10 r180; Top Pin Number "K1" at 408.55,1111.52 h10 r180; Top Pin Number "H1" at 408.55,1060.34 h10 r180; Top Pin Number "D1" at 408.55,957.97 h10 r180; Top Pin Number "U3" at 345.56,1290.65 h10 r180; Top Pin Number "N3" at 345.56,1188.29 h10 r180; Top Pin Number "K3" at 345.56,1111.52 h10 r180; Top Pin Number "F3" at 345.56,1009.15 h10 r180; Top Pin Number "G2" at 377.06,1034.74 h10 r180; Top Pin Number "Y4" at 314.07,1367.42 h10 r180; Top Pin Number "R11" at 89.59,1239.47 h10 r180; Top Pin Number "V3" at 345.56,1316.24 h10 r180; Top Pin Number "R10" at 121.09,1239.47 h10 r180; Top Pin Number "H9" at 156.59,1060.34 h10 r180; Top Pin Number "W3" at 345.56,1341.83 h10 r180; Top Pin Number "B4" at 314.07,906.79 h10 r180; Top Pin Number "J5" at 282.57,1085.93 h10 r180; Top Pin Number "Y2" at 377.06,1367.42 h10 r180; Top Pin Number "C10" at 121.09,932.38 h10 r180; Top Pin Number "R4" at 314.07,1239.47 h10 r180; Top Pin Number "E4" at 314.07,983.56 h10 r180; Top Pin Number "J8" at 188.08,1085.93 h10 r180; Top Pin Number "D10" at 121.09,957.97 h10 r180; Top Pin Number "H11" at 89.59,1060.34 h10 r180; Top Pin Number "H10" at 121.09,1060.34 h10 r180; Top Pin Number "P8" at 188.08,1213.88 h10 r180; Top Pin Number "F12" at 58.1,1009.15 h10 r180; Top Pin Number "T4" at 314.07,1265.06 h10 r180; Top Pin Number "T9" at 156.59,1265.06 h10 r180; Top Pin Number "AB11" at 85.59,1418.6 h10 r180; Top Pin Number "AB1" at 404.55,1418.6 h10 r180; Top Pin Number "AA12" at 54.1,1393.01 h10 r180; Top Pin Number "AA1" at 404.55,1393.01 h10 r180; Top Pin Number "A2" at 377.06,881.2 h10 r180; Top Pin Number "A12" at 58.1,881.2 h10 r180; Top Pin Number "A11" at 89.59,881.2 h10 r180; Top Pin Number "A1" at 408.55,881.2 h10 r180; Top Pin Number "P11" at 89.59,1213.88 h10 r180; Top Pin Number "H2" at 377.06,1060.34 h10 r180; Top Pin Number "J9" at 156.59,1085.93 h10 r180; Top Pin Number "H4" at 314.07,1060.34 h10 r180; Top Pin Number "U9" at 156.59,1290.65 h10 r180; Top Pin Number "V2" at 377.06,1316.24 h10 r180; Top Pin Number "V9" at 156.59,1316.24 h10 r180; Top Pin Number "Y10" at 121.09,1367.42 h10 r180; Top Pin Number "J2" at 377.06,1085.93 h10 r180; Top Pin Number "AA11" at 85.59,1393.01 h10 r180; Top Pin Number "T11" at 89.59,1265.06 h10 r180; Top Pin Number "B2" at 377.06,906.79 h10 r180; Top Pin Number "J11" at 89.59,1085.93 h10 r180; Top Pin Number "C11" at 89.59,932.38 h10 r180; Top Pin Number "F2" at 377.06,1009.15 h10 r180; Top Pin Number "C4" at 314.07,932.38 h10 r180; Top Pin Number "W10" at 121.09,1341.83 h10 r180; Top Pin Number "U11" at 89.59,1290.65 h10 r180; Top Pin Number "B11" at 89.59,906.79 h10 r180; Top Pin Number "E2" at 377.06,983.56 h10 r180; Top Pin Number "A5" at 282.57,881.2 h10 r180; Top Pin Number "R2" at 377.06,1239.47 h10 r180; Top Pin Number "C2" at 377.06,932.38 h10 r180; Top Pin Number "U4" at 314.07,1290.65 h10 r180; Top Pin Number "P4" at 314.07,1213.88 h10 r180; Top Pin Number "R9" at 156.59,1239.47 h10 r180; Top Pin Number "V4" at 314.07,1316.24 h10 r180; Top Pin Number "E3" at 345.56,983.56 h10 r180; Top Pin Number "F11" at 89.59,1009.15 h10 r180; Top Pin Number "AA9" at 152.59,1393.01 h10 r180; Top Pin Number "F4" at 314.07,1009.15 h10 r180; Top Pin Number "V10" at 121.09,1316.24 h10 r180; Top Pin Number "E9" at 156.59,983.56 h10 r180; Top Pin Number "P9" at 156.59,1213.88 h10 r180; Top Pin Number "P5" at 282.57,1213.88 h10 r180; Top Pin Number "E11" at 89.59,983.56 h10 r180; Top Pin Number "V11" at 89.59,1316.24 h10 r180; Top Pin Number "Y11" at 89.59,1367.42 h10 r180; Top Pin Number "AA4" at 310.07,1393.01 h10 r180; Top Pin Number "B9" at 156.59,906.79 h10 r180; Top Pin Number "R3" at 345.56,1239.47 h10 r180; Top Pin Number "H3" at 345.56,1060.34 h10 r180; Top Pin Number "C9" at 156.59,932.38 h10 r180; Top Pin Number "F9" at 156.59,1009.15 h10 r180; Top Pin Number "Y9" at 156.59,1367.42 h10 r180; Top Pin Number "E10" at 121.09,983.56 h10 r180; Top Pin Number "P2" at 377.06,1213.88 h10 r180; Top Pin Number "J4" at 314.07,1085.93 h10 r180; Top Pin Number "D3" at 345.56,957.97 h10 r180; Top Pin Number "AA2" at 373.06,1393.01 h10 r180; Top Pin Number "A8" at 188.08,881.2 h10 r180; Top Pin Number "Y3" at 345.56,1367.42 h10 r180; Top Pin Number "C3" at 345.56,932.38 h10 r180; Top Pin Number "AA3" at 341.56,1393.01 h10 r180; Top Pin Number "AB4" at 310.07,1418.6 h10 r180; Top Pin Number "AA5" at 278.57,1393.01 h10 r180; Top Pin Number "J1" at 408.55,1085.93 h10 r180; Top Pin Number "K2" at 377.06,1111.52 h10 r180; Top Pin Number "J3" at 345.56,1085.93 h10 r180; Top Pin Number "W4" at 314.07,1341.83 h10 r180; Top Pin Number "Y5" at 282.57,1367.42 h10 r180; Top Pin Number "D4" at 314.07,957.97 h10 r180; Top Pin Number "C5" at 282.57,932.38 h10 r180; Top Pin Number "Y8" at 188.08,1367.42 h10 r180; Top Pin Number "W9" at 156.59,1341.83 h10 r180; Top Pin Number "K9" at 156.59,1111.52 h10 r180; Top Pin Number "J10" at 121.09,1085.93 h10 r180; Top Pin Number "A10" at 121.09,881.2 h10 r180; Top Pin Number "C8" at 188.08,932.38 h10 r180; Top Pin Number "D9" at 156.59,957.97 h10 r180; Top Pin Number "Y1" at 408.55,1367.42 h10 r180; Top Pin Number "W2" at 377.06,1341.83 h10 r180; Top Pin Number "T3" at 345.56,1265.06 h10 r180; Top Pin Number "V1" at 408.55,1316.24 h10 r180; Top Pin Number "T1" at 408.55,1265.06 h10 r180; Top Pin Number "W11" at 89.59,1341.83 h10 r180; Top Pin Number "V12" at 58.1,1316.24 h10 r180; Top Pin Number "V8" at 188.08,1316.24 h10 r180; Top Pin Number "T8" at 188.08,1265.06 h10 r180; Top Pin Number "T10" at 121.09,1265.06 h10 r180; Top Pin Number "AB8" at 184.08,1418.6 h10 r180; Top Pin Number "V5" at 282.57,1316.24 h10 r180; Top Pin Number "AB5" at 278.57,1418.6 h10 r180; Top Pin Number "Y12" at 58.1,1367.42 h10 r180; Top Pin Number "T12" at 58.1,1265.06 h10 r180; Top Pin Number "T5" at 282.57,1265.06 h10 r180; Top Pin Number "N4" at 314.07,1188.29 h10 r180; Top Pin Number "K11" at 89.59,1111.52 h10 r180; Top Pin Number "J12" at 58.1,1085.93 h10 r180; Top Pin Number "C1" at 408.55,932.38 h10 r180; Top Pin Number "D2" at 377.06,957.97 h10 r180; Top Pin Number "E1" at 408.55,983.56 h10 r180; Top Pin Number "D11" at 89.59,957.97 h10 r180; Top Pin Number "E12" at 58.1,983.56 h10 r180; Top Pin Number "E8" at 188.08,983.56 h10 r180; Top Pin Number "G8" at 188.08,1034.74 h10 r180; Top Pin Number "G10" at 121.09,1034.74 h10 r180; Top Pin Number "E5" at 282.57,983.56 h10 r180; Top Pin Number "G5" at 282.57,1034.74 h10 r180; Top Pin Number "C12" at 58.1,932.38 h10 r180; Top Pin Number "G12" at 58.1,1034.74 h10 r180; Top Pin Number "G3" at 345.56,1034.74 h10 r180; Top Pin Number "P12" at 58.1,1213.88 h10 r180; Top Pin Number "N11" at 89.59,1188.29 h10 r180; Top Pin Number "G1" at 408.55,1034.74 h10 r180; Top Pin Number "K4" at 314.07,1111.52 h10 r180; Top Pin Number "AB3" at 341.56,1418.6 h10 r180; Top Pin Number "A3" at 345.56,881.2 h10 r180; Top Pin Number "P10" at 121.09,1213.88 h10 r180; Top Pin Number "N9" at 156.59,1188.29 h10 r180; Top Pin Number "AB10" at 117.09,1418.6 h10 r180; Top Pin Number "N8" at 188.08,1188.29 h10 r180; Top Pin Number "N5" at 282.57,1188.29 h10 r180; Top Pin Number "K8" at 188.08,1111.52 h10 r180; Top Pin Number "K5" at 282.57,1111.52 h10 r180; Top Pin Number "G11" at 89.59,1034.74 h10 r180; Top Pin Number "B12" at 58.1,906.79 h10 r180; Top Pin Number "B1" at 408.55,906.79 h10 r180; Top Pin Number "AB2" at 373.06,1418.6 h10 r180; Top Pin Number "AB12" at 54.1,1418.6 h10 r180